# Allegro board meta_module_lay_rev1.brd (continued)
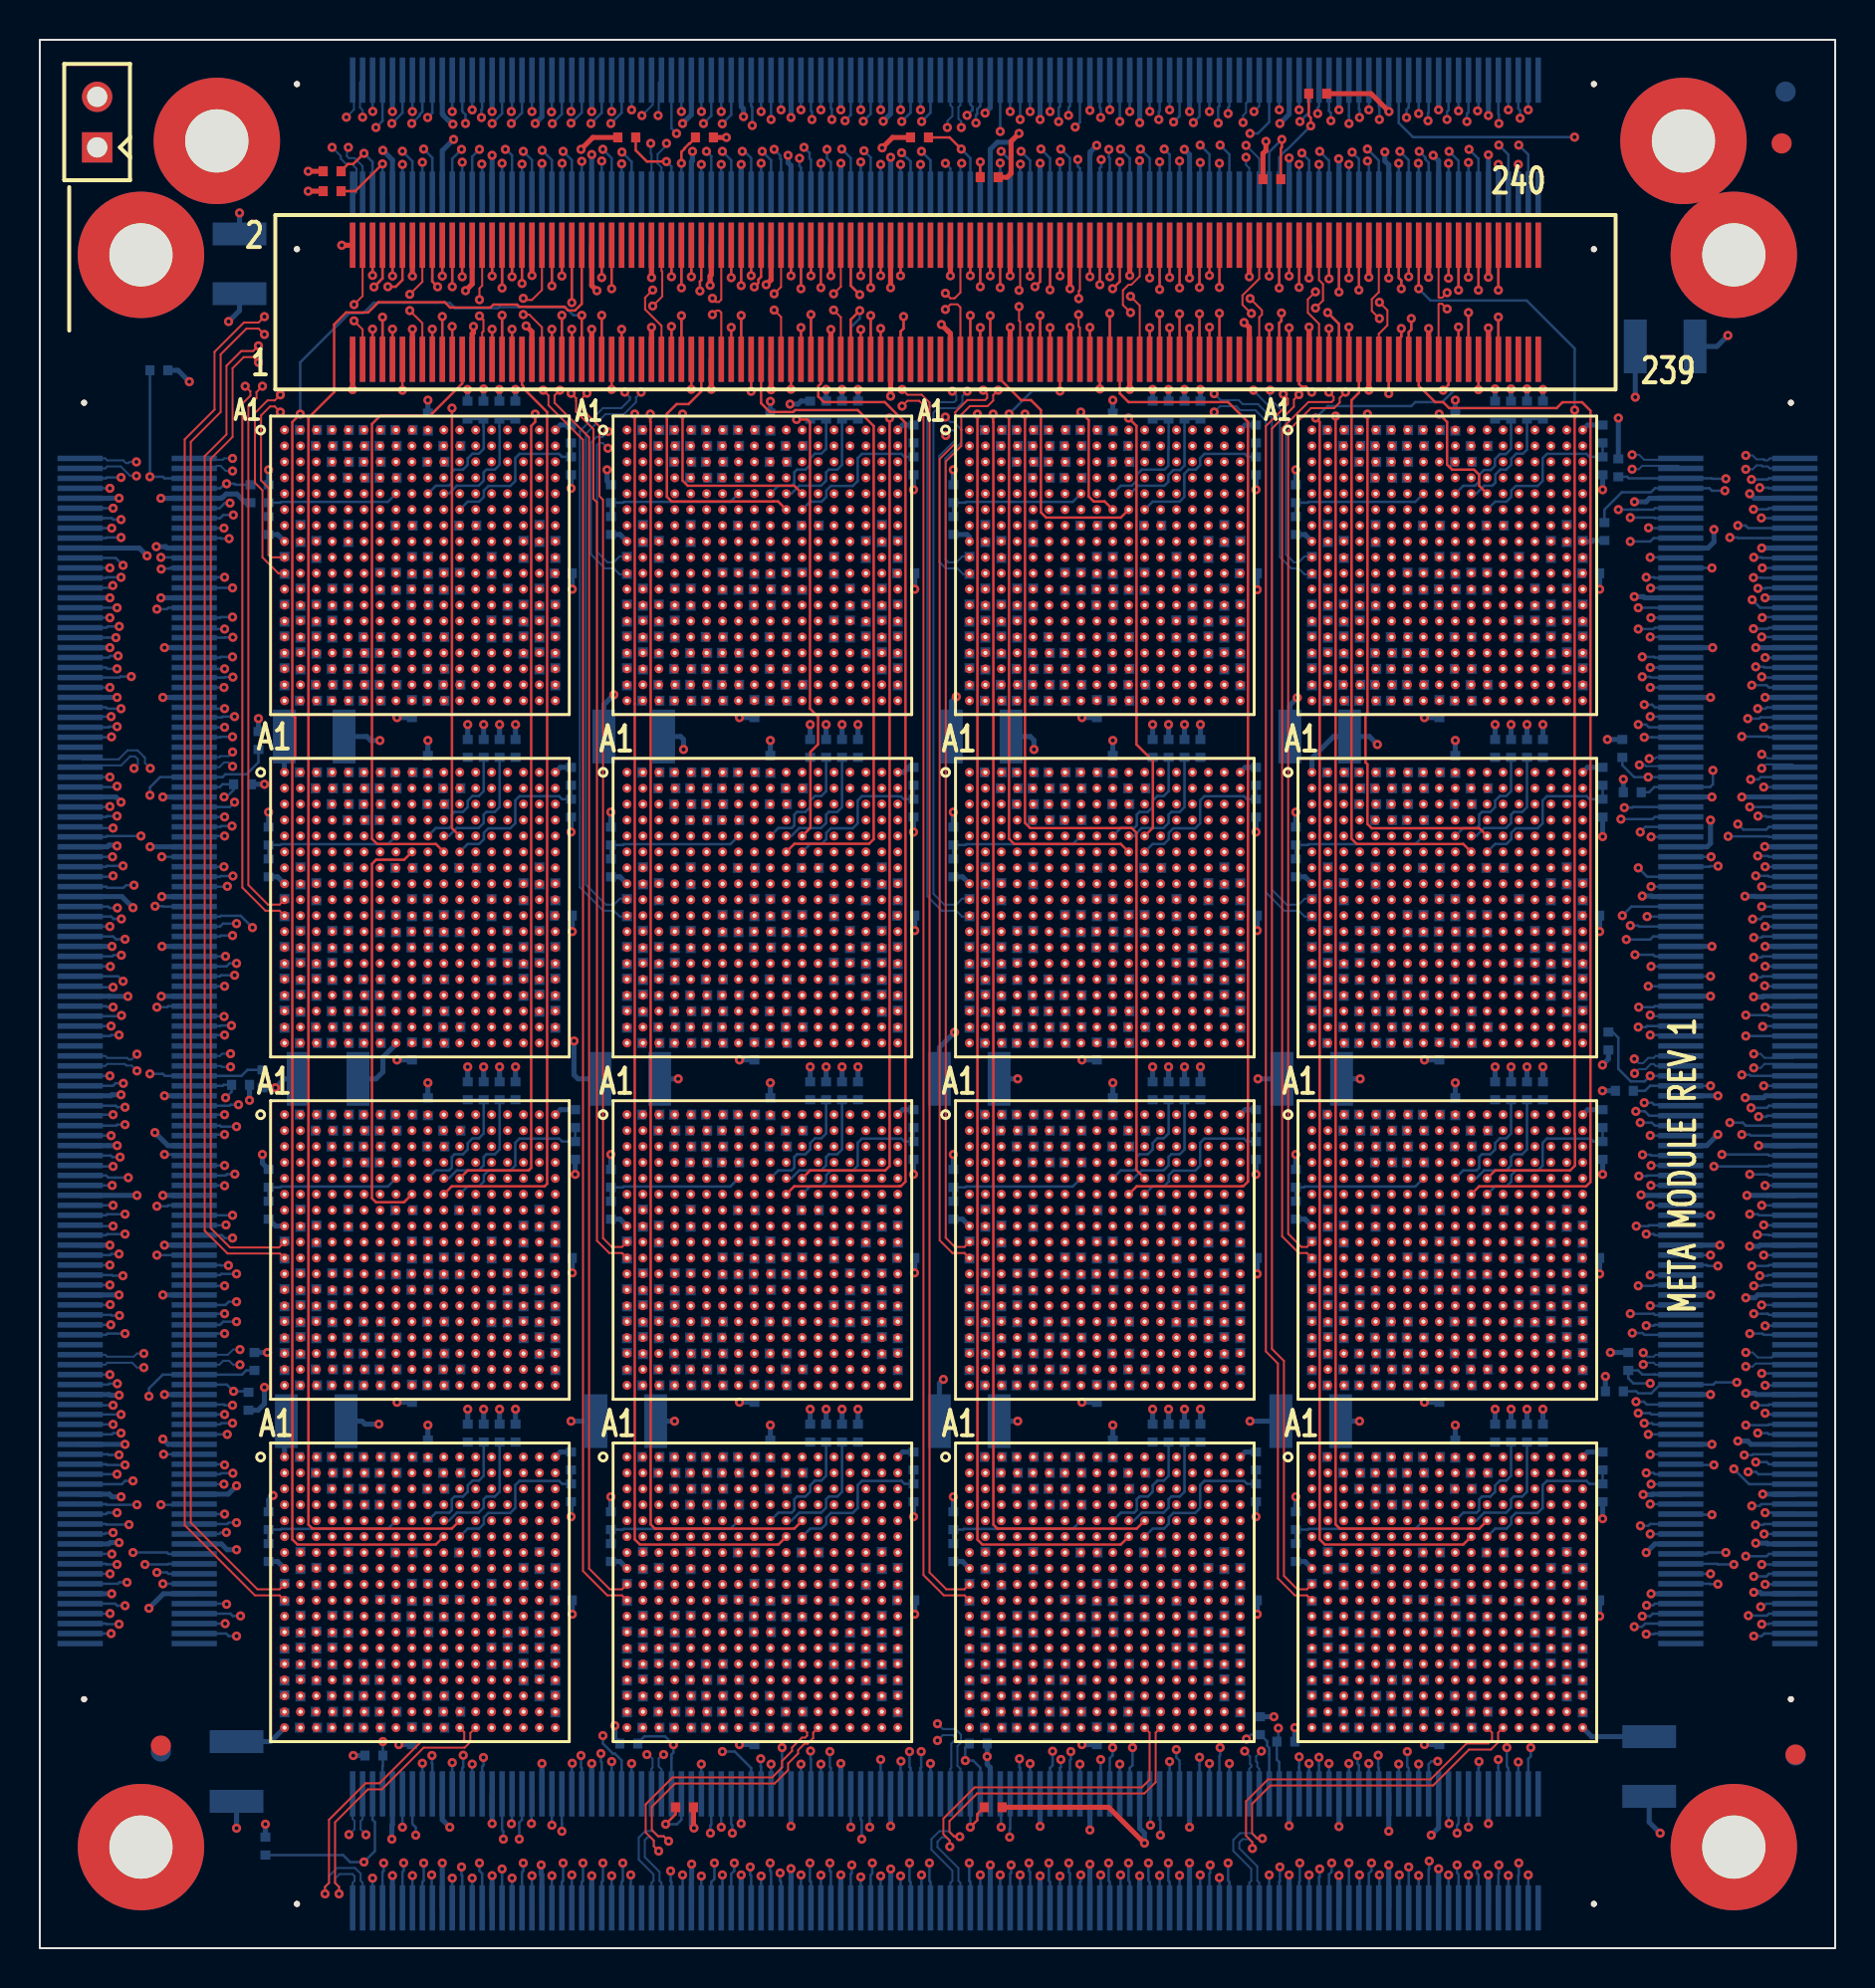
[diagram p0: board, top side]
## Routing (per net, layer and track width the routed paths; a pad name or vN(x,y) marks a point on that pad's centre or on a via; arc(x,y) is an arc through that point) (continued)
COLID1_SNOW4-3_TILE-1: length 6.9
  BOTTOM w0.127: R568.2 R564.1 40.29,22.93 40.05,22.69 39.63,22.69 39.49,22.55 39.49,22.13 39.24,21.88 38.14,21.88 37.74,21.48 U10.E11
COLID1_SNOW4-3_TILE-2: length 6.9
  BOTTOM w0.127: R511.2 R507.1 40.29,40.13 40.05,39.89 39.63,39.89 39.49,39.75 39.49,39.33 39.24,39.08 38.14,39.08 37.74,38.68 U9.E11
COLID1_SNOW4-3_TILE-3: length 6.9
  BOTTOM w0.127: R625.2 R621.1 23.09,40.13 22.85,39.89 22.43,39.89 22.29,39.75 22.29,39.33 22.04,39.08 20.94,39.08 20.54,38.68 U11.E11
COLID1_SNOW4-3_TILE-4: length 6.9
  BOTTOM w0.127: U12.E11 20.54,21.48 20.94,21.88 22.04,21.88 22.29,22.13 22.29,22.55 22.43,22.69 22.85,22.69 23.09,22.93 R678.1 R682.2
COLID1_SNOW4-4_TILE-1: length 6.9
  BOTTOM w0.127: R796.2 R792.1 74.69,22.93 74.45,22.69 74.03,22.69 73.89,22.55 73.89,22.13 73.64,21.88 72.54,21.88 72.14,21.48 U14.E11
COLID1_SNOW4-4_TILE-2: length 6.9
  BOTTOM w0.127: R739.2 R735.1 74.69,40.13 74.45,39.89 74.03,39.89 73.89,39.75 73.89,39.33 73.64,39.08 72.54,39.08 72.14,38.68 U13.E11
COLID1_SNOW4-4_TILE-3: length 6.9
  BOTTOM w0.127: R853.2 R849.1 57.49,40.13 57.25,39.89 56.83,39.89 56.69,39.75 56.69,39.33 56.44,39.08 55.34,39.08 54.94,38.68 U15.E11
COLID1_SNOW4-4_TILE-4: length 6.9
  BOTTOM w0.127: U16.E11 54.94,21.48 55.34,21.88 56.44,21.88 56.69,22.13 56.69,22.55 56.83,22.69 57.25,22.69 57.49,22.93 R906.1 R910.2
COLID2: length 319.6
  TOP w0.127: v1(58.74,84.04) J16.174
  SIGNAL_L3 w0.083: U14.E9 69.89,21.08 62.44,21.08 60.84,22.68 58.55,22.68 58.31,22.44 58.31,22.16 58.05,21.9 53.51,21.9 U16.E9 52.69,21.08 45.24,21.08 43.64,22.68 41.35,22.68 41.11,22.44 41.11,22.16 40.85,21.9 36.31,21.9 U10.E9 35.49,21.08 28.04,21.08 26.44,22.68 24.15,22.68 23.91,22.44 23.91,22.16 23.65,21.9 19.11,21.9 U12.E9 ; U6.E9 69.89,55.48 62.44,55.48 60.84,57.08 58.55,57.08 58.31,56.84 58.31,56.56 58.05,56.3 53.51,56.3 U8.E9 52.69,55.48 45.24,55.48 43.64,57.08 41.35,57.08 41.11,56.84 41.11,56.56 40.85,56.3 36.31,56.3 U2.E9 35.49,55.48 28.04,55.48 26.44,57.08 24.15,57.08 23.91,56.84 23.91,56.56 23.65,56.3 19.11,56.3 U4.E9 ; U5.E9 69.89,72.68 62.44,72.68 60.84,74.28 58.48,74.28 58.31,74.11 58.31,73.71 58.1,73.5 53.51,73.5 U7.E9 52.69,72.68 45.24,72.68 43.64,74.28 41.35,74.28 41.11,74.04 41.11,73.76 40.85,73.5 36.31,73.5 U1.E9 35.49,72.68 28.04,72.68 26.44,74.28 24.15,74.28 23.91,74.04 23.91,73.76 23.65,73.5 19.11,73.5 U3.E9 ; U11.E9 19.11,39.1 23.65,39.1 23.91,39.36 23.91,39.64 24.15,39.88 26.44,39.88 28.04,38.28 35.49,38.28 U9.E9 36.31,39.1 40.85,39.1 41.11,39.36 41.11,39.64 41.35,39.88 43.64,39.88 45.24,38.28 52.69,38.28 U15.E9 53.51,39.1 58.05,39.1 58.31,39.36 58.31,39.64 58.55,39.88 60.84,39.88 62.44,38.28 69.89,38.28 U13.E9
  SIGNAL_L5 w0.083: U3.E9 18.28,72.67 18.28,72.15 18.01,71.88 16.88,71.88 16.68,71.68 16.68,71.28 16.45,71.05 16.14,71.05 15.88,70.79 15.88,66.55 15.64,66.31 15.4,66.31 15.08,65.99 15.08,65.57 14.99,65.48 14.57,65.48 14.32,65.23 14.32,64.92 14.11,64.71 13.8,64.71 13.52,64.43 13.52,64.12 13.31,63.91 13,63.91 12.72,63.63 12.72,63.32 12.48,63.08 12.08,63.08 11.92,62.92 11.92,62.44 12.88,61.48 13.08,61.48 15.08,59.48 15.08,57.28 15.28,57.08 17.28,57.08 17.48,56.88 17.48,56.57 17.77,56.28 18.29,56.28 U4.E9 18.28,55.47 18.28,54.95 18.01,54.68 16.88,54.68 16.68,54.48 16.68,54.08 16.45,53.85 16.14,53.85 15.88,53.59 15.88,49.35 15.64,49.11 15.4,49.11 15.08,48.79 15.08,48.37 14.99,48.28 14.57,48.28 14.32,48.03 14.32,47.72 14.11,47.51 13.8,47.51 13.52,47.23 13.52,46.92 13.31,46.71 13,46.71 12.72,46.43 12.72,46.12 12.48,45.88 12.08,45.88 11.92,45.72 11.92,45.24 15.08,42.08 15.08,40.08 15.28,39.88 17.28,39.88 17.48,39.68 17.48,39.37 17.77,39.08 18.29,39.08 U11.E9 18.28,38.27 18.28,37.75 18.01,37.48 16.88,37.48 16.68,37.28 16.68,36.88 16.45,36.65 16.14,36.65 15.88,36.39 15.88,32.15 15.64,31.91 15.4,31.91 15.08,31.59 15.08,31.17 14.99,31.08 14.57,31.08 14.32,30.83 14.32,30.52 14.11,30.31 13.8,30.31 13.52,30.03 13.52,29.72 13.31,29.51 13,29.51 12.72,29.23 12.72,28.92 12.48,28.68 12.08,28.68 11.92,28.52 11.92,28.04 12.88,27.08 13.28,27.08 15.08,25.28 15.08,22.88 15.28,22.68 17.28,22.68 17.48,22.48 17.48,22.17 17.77,21.88 18.29,21.88 U12.E9
  SIGNAL_L9 w0.083: U7.E9 53.46,73.45 53.46,73.96 53.77,74.28 56.41,74.28 56.66,74.53 56.66,74.77 56.94,75.05 57.17,75.05 57.48,75.35 57.48,76.39 57.92,76.83 57.92,78.82 58.28,79.18 58.28,81.58 58.74,82.04 v1(58.74,84.04)
COLID3: length 324.4
  TOP w0.127: U11.F9 18.29,37.48 16.88,37.48 16.68,37.68 16.68,54.48 16.89,54.69 18.3,54.69 U4.F9 ; J16.176 v1(59.24,83.44)
  SIGNAL_L9 w0.083: v1(59.24,83.44) 59.68,83.01 59.68,77.08 59.12,76.52 59.12,75.4 58.84,75.11 57.81,75.11 57.48,74.79 57.48,74.38 57.41,74.31 57.01,74.31 56.72,74.03 56.72,73.73 56.51,73.51 56.21,73.51 55.92,73.23 55.92,73 55.58,72.65 53.46,72.65 U7.F9
  SIGNAL_L10 w0.083: U5.F9 69.89,71.88 67.77,71.88 67.52,72.13 67.52,72.44 67.28,72.68 66.88,72.68 66.68,72.88 66.68,73.28 66.48,73.48 62.08,73.48 61.28,74.28 58.48,74.28 58.28,74.08 58.28,73.68 58.05,73.45 57.74,73.45 57.46,73.17 57.46,72.93 57.21,72.68 53.49,72.68 U7.F9 52.69,71.88 50.57,71.88 50.32,72.13 50.32,72.44 50.08,72.68 49.68,72.68 49.48,72.88 49.48,73.28 49.28,73.48 44.88,73.48 44.08,74.28 41.28,74.28 41.08,74.08 41.08,73.68 40.85,73.45 40.54,73.45 40.26,73.17 40.26,72.93 40.01,72.68 36.29,72.68 U1.F9 35.49,71.88 33.37,71.88 33.12,72.13 33.12,72.44 32.88,72.68 32.48,72.68 32.28,72.88 32.28,73.28 32.08,73.48 27.68,73.48 26.88,74.28 24.08,74.28 23.88,74.08 23.88,73.68 23.65,73.45 23.34,73.45 23.06,73.17 23.06,72.93 22.81,72.68 19.09,72.68 U3.F9 18.26,71.85 17.74,71.85 17.48,71.59 17.48,71.28 17.25,71.05 16.05,71.05 15.88,70.88 15.88,58.17 16.14,57.91 16.38,57.91 16.68,57.61 16.68,55.77 16.94,55.51 17.18,55.51 17.46,55.23 17.46,54.99 17.77,54.68 18.29,54.68 U4.F9 19.09,55.48 22.81,55.48 23.06,55.73 23.06,55.97 23.34,56.25 23.65,56.25 23.88,56.48 23.88,56.88 24.08,57.08 26.88,57.08 27.68,56.28 32.08,56.28 32.28,56.08 32.28,55.68 32.48,55.48 32.88,55.48 33.12,55.24 33.12,54.93 33.37,54.68 35.49,54.68 U2.F9 36.29,55.48 40.01,55.48 40.26,55.73 40.26,55.97 40.54,56.25 40.85,56.25 41.08,56.48 41.08,56.88 41.28,57.08 44.08,57.08 44.88,56.28 49.28,56.28 49.48,56.08 49.48,55.68 49.68,55.48 50.08,55.48 50.32,55.24 50.32,54.93 50.57,54.68 52.69,54.68 U8.F9 53.49,55.48 57.21,55.48 57.46,55.73 57.46,55.97 57.74,56.25 58.05,56.25 58.28,56.48 58.28,56.88 58.48,57.08 61.28,57.08 62.08,56.28 66.48,56.28 66.68,56.08 66.68,55.68 66.88,55.48 67.28,55.48 67.52,55.24 67.52,54.93 67.77,54.68 69.89,54.68 U6.F9 ; U14.F9 69.89,20.28 67.77,20.28 67.52,20.53 67.52,20.84 67.28,21.08 66.88,21.08 66.68,21.28 66.68,21.68 66.48,21.88 62.08,21.88 61.28,22.68 58.48,22.68 58.28,22.48 58.28,22.08 58.05,21.85 57.74,21.85 57.46,21.57 57.46,21.33 57.21,21.08 53.49,21.08 U16.F9 52.69,20.28 50.57,20.28 50.32,20.53 50.32,20.84 50.08,21.08 49.68,21.08 49.48,21.28 49.48,21.68 49.28,21.88 44.88,21.88 44.08,22.68 41.28,22.68 41.08,22.48 41.08,22.08 40.85,21.85 40.54,21.85 40.26,21.57 40.26,21.33 40.01,21.08 36.29,21.08 U10.F9 35.49,20.28 33.37,20.28 33.12,20.53 33.12,20.84 32.88,21.08 32.48,21.08 32.28,21.28 32.28,21.68 32.08,21.88 27.68,21.88 26.88,22.68 24.08,22.68 23.88,22.48 23.88,22.08 23.65,21.85 23.34,21.85 23.06,21.57 23.06,21.33 22.81,21.08 19.09,21.08 U12.F9 18.29,20.28 17.77,20.28 17.46,20.59 17.46,20.83 17.18,21.11 16.94,21.11 16.68,21.37 16.68,23.21 16.38,23.51 16.14,23.51 15.88,23.77 15.88,36.39 16.14,36.65 18.85,36.65 19.12,36.92 19.12,37.45 U11.F9 19.09,38.28 22.81,38.28 23.06,38.53 23.06,38.77 23.34,39.05 23.65,39.05 23.88,39.28 23.88,39.68 24.08,39.88 26.88,39.88 27.68,39.08 32.08,39.08 32.28,38.88 32.28,38.48 32.48,38.28 32.88,38.28 33.12,38.04 33.12,37.73 33.37,37.48 35.49,37.48 U9.F9 36.29,38.28 40.01,38.28 40.26,38.53 40.26,38.77 40.54,39.05 40.85,39.05 41.08,39.28 41.08,39.68 41.28,39.88 44.08,39.88 44.88,39.08 49.28,39.08 49.48,38.88 49.48,38.48 49.68,38.28 50.08,38.28 50.32,38.04 50.32,37.73 50.57,37.48 52.69,37.48 U15.F9 53.49,38.28 57.21,38.28 57.46,38.53 57.46,38.77 57.74,39.05 58.05,39.05 58.28,39.28 58.28,39.68 58.48,39.88 61.28,39.88 62.08,39.08 66.48,39.08 66.68,38.88 66.68,38.48 66.88,38.28 67.28,38.28 67.52,38.04 67.52,37.73 67.77,37.48 69.89,37.48 U13.F9
EA_DATA_IN_N0: length 9
  SIGNAL_L12 w0.083: U5.T18 80.19,66.98 80.43,66.98 81.28,67.82 81.28,69.48 v1(80.88,69.88)
  BOTTOM w0.127: J3.219 82.38,69.88 v1(80.88,69.88)
EA_DATA_IN_N1: length 7.9
  SIGNAL_L12 w0.083: U5.R17 77.09,65.48 77.68,65.48 79.53,67.33 79.53,68.31 80.1,68.88 v1(80.68,68.88)
  BOTTOM w0.127: v1(80.68,68.88) 81.08,68.88 81.12,68.85 J3.215
EA_DATA_IN_N2: length 7.1
  SIGNAL_L6 w0.083: v1(80.28,67.35) 79.21,66.28 76.29,66.28 U5.P16
  BOTTOM w0.127: v1(80.28,67.35) J3.209
EA_DATA_IN_N3: length 7.8
  SIGNAL_L9 w0.083: U5.N15 75.48,67.07 79.49,67.07 v1(80.28,66.28)
  BOTTOM w0.127: J3.205 81.12,66.35 81.05,66.28 v1(80.28,66.28)
EA_DATA_IN_N4: length 5.4
  SIGNAL_L10 w0.083: v1(80.48,64.88) 79.48,65.88 U5.P18
  BOTTOM w0.127: v1(80.48,64.88) 81.08,64.88 81.12,64.84 J3.199
EA_DATA_IN_N5: length 8.5
  SIGNAL_L10 w0.083: v1(80.48,63.88) 79.68,64.68 76.57,64.68 76.28,64.97 76.28,66.27 U5.N17
  BOTTOM w0.127: v1(80.48,63.88) 80.87,63.88 80.91,63.84 J3.195
EA_DATA_IN_N6: length 9.6
  SIGNAL_L5 w0.083: v1(80.58,62.48) 79.58,63.48 79.58,65.11 77.61,67.08 76.29,67.08 U5.M16
  BOTTOM w0.127: J3.189 81.12,62.34 80.98,62.48 v1(80.58,62.48)
EA_DATA_IN_N7: length 12.1
  SIGNAL_L3 w0.083: U5.L15 75.51,67.86 76.05,67.86 76.31,67.6 76.31,66.45 76.48,66.28 77.63,66.28 78.46,65.46 78.46,63.3 v1(80.28,61.48)
  BOTTOM w0.127: v1(80.28,61.48) 80.67,61.48 80.81,61.34 J3.185
EA_DATA_IN_N8: length 12.3
  SIGNAL_L12 w0.083: v1(83.94,54.84) 83.67,54.57 83.67,52.6 80.77,49.7 80.77,49.7 80.55,49.48 80.55,49.48 78.15,47.08 U6.T18
  BOTTOM w0.127: v1(83.94,54.84) J3.159
EA_DATA_IN_N9: length 11.2
  SIGNAL_L12 w0.083: v1(80.28,54.28) 80.28,53.91 79.68,53.31 79.68,52.28 80.28,51.68 80.28,50.68 77.88,48.28 77.09,48.28 U6.R17
  BOTTOM w0.127: v1(80.28,54.28) 80.72,53.84 J3.155
EA_DATA_IN_N10: length 8.6
  SIGNAL_L6 w0.083: U6.P16 76.29,49.08 77.68,49.08 78.88,50.28 78.88,51.28 v1(79.48,51.88)
  BOTTOM w0.127: v1(79.48,51.88) 79.94,52.34 J3.149
EA_DATA_IN_N11: length 8.1
  SIGNAL_L12 w0.083: v1(79.88,51.38) 79.51,51.38 78.01,49.88 75.49,49.88 U6.N15
  BOTTOM w0.127: v1(79.88,51.38) 80.27,51.38 80.32,51.34 J3.145
EA_DATA_IN_N12: length 5.5
  SIGNAL_L10 w0.083: v1(80.12,49.92) 78.88,48.68 U6.P18
  BOTTOM w0.127: v1(80.12,49.92) 81.03,49.92 81.12,49.83 J3.139
EA_DATA_IN_N13: length 9.7
  SIGNAL_L10 w0.083: U6.N17 77.09,49.88 78.88,49.88 79.29,50.29 82.45,50.29 v1(83.91,48.83)
  BOTTOM w0.127: v1(83.91,48.83) J3.135
EA_DATA_IN_N14: length 7.8
  SIGNAL_L5 w0.083: v1(80.3,47.28) 80.21,47.28 77.61,49.88 76.29,49.88 U6.M16
  BOTTOM w0.127: J3.129 81.12,47.33 81.06,47.28 v1(80.3,47.28)
EA_DATA_IN_N15: length 10.1
  SIGNAL_L3 w0.083: v1(80.28,46.28) 77.98,48.58 77.98,48.71 77.61,49.08 76.48,49.08 76.31,49.25 76.31,50.4 76.05,50.66 75.51,50.66 U6.L15
  BOTTOM w0.127: J3.125 80.72,46.33 80.67,46.28 v1(80.28,46.28)
EA_DATA_IN_N16: length 14.7
  SIGNAL_L12 w0.083: U13.T18 78.48,30.87 78.48,31.08 79.88,32.48 80.48,32.48 81.78,33.78 81.78,38.08 80.95,38.91 80.73,38.91 80.51,39.13 80.51,39.15 80.49,39.17 v1(80.49,39.87)
  BOTTOM w0.127: v1(80.49,39.87) 80.89,39.87 80.93,39.83 J3.99
EA_DATA_IN_N17: length 12.9
  SIGNAL_L12 w0.083: U13.R17 77.09,31.08 77.66,31.08 79.53,32.95 79.53,33.33 81.08,34.88 81.08,36.08 80.03,37.13 80.03,38.04 80.31,38.32 v1(80.31,38.79)
  BOTTOM w0.127: J3.95 80.74,38.82 80.7,38.79 v1(80.31,38.79)
EA_DATA_IN_N18: length 10.6
  SIGNAL_L6 w0.083: U13.P16 76.29,31.88 77.68,31.88 79.08,33.28 79.08,36.08 80.32,37.32 v1(80.88,37.32)
  BOTTOM w0.127: v1(80.88,37.32) J3.89
EA_DATA_IN_N19: length 9.9
  SIGNAL_L12 w0.083: U13.N15 75.49,32.68 78.17,32.68 80.18,34.69 v1(80.18,36.28)
  BOTTOM w0.127: v1(80.18,36.28) 80.78,36.28 80.82,36.32 J3.85
EA_DATA_IN_N20: length 9.5
  SIGNAL_L10 w0.083: v1(83.91,34.82) 83.91,34.45 81.34,31.88 80.68,31.88 80.28,31.48 U13.P18
  BOTTOM w0.127: v1(83.91,34.82) J3.79
EA_DATA_IN_N21: length 6.4
  SIGNAL_L10 w0.083: v1(80.88,33.82) 80.02,33.82 78.88,32.68 77.09,32.68 U13.N17
  BOTTOM w0.127: v1(80.88,33.82) J3.75
EA_DATA_IN_N22: length 6.9
  SIGNAL_L5 w0.083: v1(80.88,32.28) 78.28,32.28 77.88,32.68 76.29,32.68 U13.M16
  BOTTOM w0.127: v1(80.88,32.28) 82.38,32.28 J3.69
EA_DATA_IN_N23: length 9.1
  SIGNAL_L3 w0.083: U13.L15 75.51,33.46 76.05,33.46 76.31,33.2 76.31,32.05 76.48,31.88 77.88,31.88 78.48,31.28 79.73,31.28 v1(80.68,31.28)
  BOTTOM w0.127: v1(80.68,31.28) 81.08,31.28 81.12,31.32 J3.65
EA_DATA_IN_N24: length 17.3
  SIGNAL_L12 w0.083: U14.T18 78.61,12.68 82.78,16.85 82.78,22.91 v1(80.88,24.81)
  BOTTOM w0.127: v1(80.88,24.81) 80.91,24.81 80.92,24.82 J3.39
EA_DATA_IN_N25: length 15.2
  SIGNAL_L12 w0.083: v1(80.68,23.88) 80.42,23.62 80.42,23.32 80.15,23.05 80.15,22.64 80.37,22.42 80.37,21.99 81.28,21.08 81.28,18.68 80.8,18.2 80.52,18.2 80.3,17.98 80.3,17.04 78.28,15.02 78.28,14.5 77.66,13.88 77.09,13.88 U14.R17
  BOTTOM w0.127: J3.35 81.12,23.81 81.05,23.88 v1(80.68,23.88)
EA_DATA_IN_N26: length 14.6
  SIGNAL_L6 w0.083: v1(80.88,22.31) 81.48,21.71 81.48,15.68 80.48,14.68 76.29,14.68 U14.P16
  BOTTOM w0.127: v1(80.88,22.31) J3.29
EA_DATA_IN_N27: length 11.9
  SIGNAL_L12 w0.083: U14.N15 75.49,15.48 78.08,15.48 79.94,17.34 79.94,18.13 80.28,18.48 80.28,20.28 80.39,20.39 v1(80.39,21.22)
  BOTTOM w0.127: J3.25 80.87,21.31 80.78,21.22 v1(80.39,21.22)
EA_DATA_IN_N28: length 12.9
  SIGNAL_L10 w0.083: U14.P18 80.88,14.28 84.68,18.08 v1(84.68,19.88)
  BOTTOM w0.127: v1(84.68,19.88) 83.78,19.88 83.72,19.81 J3.19
EA_DATA_IN_N29: length 11
  SIGNAL_L10 w0.083: v1(83.91,18.81) 83.65,18.55 83.65,17.85 80.88,15.08 78.28,15.08 77.88,15.48 77.09,15.48 U14.N17
  BOTTOM w0.127: v1(83.91,18.81) J3.15
EA_DATA_IN_N30: length 7.5
  SIGNAL_L5 w0.083: v1(80.7,17.23) 79.83,17.23 79.65,17.05 76.45,17.05 76.26,16.86 76.26,16.25 U14.M16
  BOTTOM w0.127: J3.9 81.11,17.31 81.03,17.23 v1(80.7,17.23)
EA_DATA_IN_N31: length 7.6
  SIGNAL_L6 w0.083: v1(80.08,16.15) 77.76,16.15 77.65,16.26 75.51,16.26 U14.L15
  BOTTOM w0.127: J3.5 80.63,16.31 80.47,16.15 v1(80.08,16.15)
EA_DATA_IN_P0: length 11
  SIGNAL_L12 w0.083: v1(83.98,69.35) 83.98,68.45 80.81,65.28 79.29,65.28 U5.U18
  BOTTOM w0.127: v1(83.98,69.35) J3.217
EA_DATA_IN_P1: length 8.4
  SIGNAL_L12 w0.083: v1(80.9,68.33) 80.53,68.33 80.38,68.48 79.95,68.48 79.71,68.23 79.71,66.76 77.63,64.68 77.09,64.68 U5.T17
  BOTTOM w0.127: v1(80.9,68.33) 80.91,68.35 J3.213
EA_DATA_IN_P2: length 7.3
  SIGNAL_L6 w0.083: U5.R16 76.31,65.5 78.95,65.5 80.3,66.85 v1(80.91,66.85)
  BOTTOM w0.127: v1(80.91,66.85) J3.207
EA_DATA_IN_P3: length 7.7
  SIGNAL_L9 w0.083: v1(80.88,65.88) 78.48,65.88 78.09,66.27 75.48,66.27 U5.P15
  BOTTOM w0.127: v1(80.88,65.88) 82.38,65.88 J3.203
EA_DATA_IN_P4: length 5.2
  SIGNAL_L10 w0.083: v1(80.88,64.34) 80.42,64.34 79.68,65.08 U5.R18
  BOTTOM w0.127: v1(80.88,64.34) J3.197
EA_DATA_IN_P5: length 8.5
  SIGNAL_L10 w0.083: U5.P17 77.09,66.28 79.75,66.28 81.28,64.75 81.28,63.74 v1(80.88,63.34)
  BOTTOM w0.127: v1(80.88,63.34) J3.193
EA_DATA_IN_P6: length 9.4
  SIGNAL_L5 w0.083: v1(80.88,61.88) 80.51,61.88 79.08,63.31 79.08,64.88 77.68,66.28 76.29,66.28 U5.N16
  BOTTOM w0.127: v1(80.88,61.88) 82.38,61.88 J3.187
EA_DATA_IN_P7: length 12.2
  SIGNAL_L3 w0.083: v1(80.58,60.84) 80.21,60.84 80.21,60.84 80.11,60.84 78.18,62.77 78.18,64.98 77.68,65.48 75.68,65.48 75.49,65.67 75.49,67.08 U5.M15
  BOTTOM w0.127: v1(80.58,60.84) 80.98,60.84 80.98,60.84 J3.183
EA_DATA_IN_P8: length 13.4
  SIGNAL_L12 w0.083: v1(84.29,54.37) 84.29,54 84.28,53.99 84.28,52.08 81.08,48.88 80.48,48.88 77.88,46.28 U6.U18
  BOTTOM w0.127: v1(84.29,54.37) 83.9,54.37 83.87,54.34 J3.157
EA_DATA_IN_P9: length 10.4
  SIGNAL_L12 w0.083: v1(80.92,53.34) 80.92,52.54 81.19,52.27 81.19,50.46 78.21,47.48 77.09,47.48 U6.T17
  BOTTOM w0.127: v1(80.92,53.34) 81.12,53.34 81.12,53.34 J3.153
EA_DATA_IN_P10: length 8.6
  SIGNAL_L6 w0.083: U6.R16 76.31,48.3 77.9,48.3 80.72,51.12 v1(80.72,51.83)
  BOTTOM w0.127: v1(80.72,51.83) J3.147
EA_DATA_IN_P11: length 8.2
  SIGNAL_L12 w0.083: U6.P15 75.52,49.11 78.11,49.11 v1(79.68,50.68)
  BOTTOM w0.127: J3.143 81.03,50.83 80.88,50.68 v1(79.68,50.68)
EA_DATA_IN_P12: length 5.5
  SIGNAL_L10 w0.083: U6.R18 79.47,47.88 v1(80.92,49.33)
  BOTTOM w0.127: v1(80.92,49.33) 80.93,49.33 80.93,49.33 J3.137
EA_DATA_IN_P13: length 6.9
  SIGNAL_L10 w0.083: v1(80.78,48.33) 80.41,48.33 79.56,47.48 77.29,47.48 77.09,47.68 77.09,48.28 U6.P17
  BOTTOM w0.127: v1(80.78,48.33) J3.133
EA_DATA_IN_P14: length 7.6
  SIGNAL_L5 w0.083: U6.N16 76.29,49.08 77.88,49.08 80.08,46.88 v1(80.88,46.88)
  BOTTOM w0.127: J3.127 80.93,46.83 v1(80.88,46.88)
EA_DATA_IN_P15: length 10
  SIGNAL_L3 w0.083: U6.M15 75.49,49.88 75.49,48.47 75.68,48.28 77.68,48.28 80.08,45.88 v1(80.88,45.88)
  BOTTOM w0.127: v1(80.88,45.88) 82.37,45.88 J3.123
EA_DATA_IN_P16: length 14.9
  SIGNAL_L12 w0.083: U13.U18 78.18,29.77 78.18,30.18 79.48,31.48 80.08,31.48 80.28,31.68 81.06,31.68 82.08,32.7 82.08,38.17 v1(80.92,39.33)
  BOTTOM w0.127: v1(80.92,39.33) J3.97
EA_DATA_IN_P17: length 12.7
  SIGNAL_L12 w0.083: v1(80.91,38.33) 81.28,37.96 81.28,33.68 80.28,32.68 79.68,32.68 78.28,31.28 78.28,30.95 77.64,30.31 77.51,30.31 77.48,30.28 77.09,30.28 U13.T17
  BOTTOM w0.127: v1(80.91,38.33) 80.93,38.33 J3.93
EA_DATA_IN_P18: length 12.5
  SIGNAL_L6 w0.083: v1(83.91,36.82) 82.62,36.82 79.48,33.68 79.48,32.88 77.7,31.1 76.31,31.1 U13.R16
  BOTTOM w0.127: v1(83.91,36.82) J3.87
EA_DATA_IN_P19: length 9.8
  SIGNAL_L12 w0.083: v1(80.68,35.88) 80.68,34.88 77.71,31.91 75.52,31.91 U13.P15
  BOTTOM w0.127: J3.83 81.12,35.82 81.06,35.88 v1(80.68,35.88)
EA_DATA_IN_P20: length 10.3
  SIGNAL_L10 w0.083: v1(84.28,34.28) 80.54,30.54 79.22,30.54 79.08,30.68 U13.R18
  BOTTOM w0.127: v1(84.28,34.28) 83.76,34.28 83.72,34.32 J3.77
EA_DATA_IN_P21: length 6.5
  SIGNAL_L10 w0.083: U13.P17 77.09,31.88 78.88,31.88 v1(80.28,33.28)
  BOTTOM w0.127: J3.73 81.12,33.32 81.07,33.28 v1(80.28,33.28)
EA_DATA_IN_P22: length 6.7
  SIGNAL_L5 w0.083: v1(79.88,31.88) 76.29,31.88 U13.N16
  BOTTOM w0.127: v1(79.88,31.88) 81.06,31.88 81.12,31.82 J3.67
EA_DATA_IN_P23: length 9.1
  SIGNAL_L3 w0.083: U13.M15 75.49,32.68 75.49,31.27 75.68,31.08 78.28,31.08 78.45,30.91 v1(79.98,30.91)
  BOTTOM w0.127: J3.63 80.58,30.82 80.49,30.91 v1(79.98,30.91)
EA_DATA_IN_P24: length 17.2
  SIGNAL_L12 w0.083: U14.U18 78.08,11.88 82.88,16.68 82.88,16.69 82.96,16.77 82.96,23.16 v1(84.08,24.28)
  BOTTOM w0.127: v1(84.08,24.28) 82.45,24.28 J3.37
EA_DATA_IN_P25: length 15.3
  SIGNAL_L12 w0.083: U14.T17 77.09,13.08 78.75,13.08 81.48,15.81 81.48,22.76 v1(80.92,23.31)
  BOTTOM w0.127: v1(80.92,23.31) J3.33
EA_DATA_IN_P26: length 15.4
  SIGNAL_L6 w0.083: U14.R16 76.31,13.9 80.1,13.9 81.88,15.68 81.88,19.68 v1(83.98,21.78)
  BOTTOM w0.127: v1(83.98,21.78) 82.45,21.78 J3.27
EA_DATA_IN_P27: length 11.9
  SIGNAL_L12 w0.083: U14.P15 75.52,14.71 77.71,14.71 80.12,17.12 80.12,18.06 81.05,18.99 81.05,20.27 80.88,20.44 v1(80.88,20.81)
  BOTTOM w0.127: v1(80.88,20.81) J3.23
EA_DATA_IN_P28: length 13.4
  SIGNAL_L10 w0.083: U14.R18 80.48,13.48 85.08,18.08 v1(85.08,19.28)
  BOTTOM w0.127: v1(85.08,19.28) 84.28,19.28 84.25,19.31 J3.17
EA_DATA_IN_P29: length 11.2
  SIGNAL_L10 w0.083: U14.P17 77.09,14.68 80.88,14.68 84.02,17.82 84.02,18.03 v1(84.28,18.29)
  BOTTOM w0.127: J3.13 83.87,18.31 83.89,18.29 v1(84.28,18.29)
EA_DATA_IN_P30: length 7.6
  SIGNAL_L5 w0.083: U14.N16 76.32,15.51 76.32,16.03 76.6,16.31 78.13,16.31 78.13,16.31 79.51,16.31 79.88,16.68 v1(80.48,16.68)
  BOTTOM w0.127: v1(80.48,16.68) 80.87,16.68 81,16.81 J3.7
EA_DATA_IN_P31: length 7.6
  SIGNAL_L6 w0.083: U14.M15 75.49,15.48 77.88,15.48 78.18,15.78 v1(80.68,15.78)
  BOTTOM w0.127: v1(80.68,15.78) 81.07,15.78 81.1,15.81 J3.3
EA_DATA_OUT_N0: length 16.1
  SIGNAL_L6 w0.083: U5.G15 75.48,71.87 75.48,72.48 75.68,72.68 76.08,72.68 76.31,72.91 76.31,73.31 76.48,73.48 77.68,73.48 78.28,72.88 78.68,72.88 78.84,73.04 81.79,73.04 84.95,69.88 v1(86.08,69.88)
  BOTTOM w0.127: J3.220 86.51,69.85 86.47,69.88 v1(86.08,69.88)
EA_DATA_OUT_N1: length 24.7
  SIGNAL_L9 w0.083: U5.F16 75.48,72.69 75.48,75.61 75.75,75.88 86.18,75.88 87.28,74.78 87.28,69.59 86.55,68.86 v1(86.06,68.86)
  BOTTOM w0.127: J3.216 86.48,68.85 86.46,68.86 v1(86.06,68.86)
EA_DATA_OUT_N2: length 13.8
  SIGNAL_L5 w0.083: U5.E17 77.09,72.68 77.68,72.68 79.08,71.28 80.28,71.28 83.81,67.75 v1(86,67.75)
  BOTTOM w0.127: J3.210 86.41,67.35 86.37,67.38 v1(86,67.75)
EA_DATA_OUT_N3: length 14.2
  SIGNAL_L9 w0.083: v1(86.06,66.3) 81.68,70.68 81.68,71.08 80.51,72.25 79.98,72.25 79.08,73.15 79.08,73.38 78.58,73.88 U5.D18
  BOTTOM w0.127: J3.206 86.84,66.35 86.79,66.3 v1(86.06,66.3)
EA_DATA_OUT_N4: length 17
  SIGNAL_L5 w0.083: v1(86.65,64.84) 83.84,64.84 77.61,71.08 76.48,71.08 76.28,71.28 76.28,71.65 76.08,71.85 75.79,71.85 75.48,72.17 75.48,72.69 U5.E15
  BOTTOM w0.127: v1(86.65,64.84) J3.200
EA_DATA_OUT_N5: length 17.3
  SIGNAL_L9 w0.083: U5.D16 76.32,73.45 76.52,73.45 76.53,73.46 76.85,73.46 77.07,73.24 77.07,72.09 77.28,71.88 77.68,71.88 80.13,69.43 80.91,69.43 85.48,64.86 85.48,64.48 86.08,63.88 v1(86.48,63.88)
  BOTTOM w0.127: v1(86.48,63.88) 86.52,63.84 J3.196
EA_DATA_OUT_N6: length 23.1
  SIGNAL_L9 w0.083: v1(86.28,62.28) 86.78,62.28 87.28,62.78 87.28,66.95 86.77,67.45 86.23,67.45 86.16,67.38 85.78,67.38 85.08,68.08 85.08,69.28 84.51,69.85 84.51,71.45 84.18,71.78 83.08,71.78 81.38,73.48 80.18,73.48 78.58,75.08 77.09,75.08 U5.C17
  BOTTOM w0.127: v1(86.28,62.28) 86.67,62.28 86.74,62.34 J3.190
EA_DATA_OUT_N7: length 25.4
  SIGNAL_L5 w0.083: U5.B18 77.89,75.88 85.74,75.88 87.26,74.36 87.26,74.1 87.28,74.08 87.28,62.04 v1(86.58,61.34)
  BOTTOM w0.127: v1(86.58,61.34) J3.186
EA_DATA_OUT_N8: length 16.3
  SIGNAL_L6 w0.083: U6.G15 75.48,54.67 75.48,55.28 75.68,55.48 76.08,55.48 76.31,55.71 76.31,56.04 76.53,56.26 76.55,56.26 76.57,56.28 77.68,56.28 79.25,57.85 80.21,57.85 80.38,57.68 82.28,57.68 85.08,54.88 v1(86.28,54.88)
  BOTTOM w0.127: J3.160 86.84,54.84 86.8,54.88 v1(86.28,54.88)
EA_DATA_OUT_N9: length 18
  SIGNAL_L9 w0.083: U6.F16 75.48,55.49 75.48,57.61 75.73,57.86 76.81,57.86 77.11,58.16 77.11,58.51 77.25,58.65 78.11,58.65 78.58,58.18 80.08,58.18 80.58,57.68 82.38,57.68 v1(86.18,53.88)
  BOTTOM w0.127: v1(86.18,53.88) 86.8,53.88 86.84,53.84 J3.156
EA_DATA_OUT_N10: length 12.9
  SIGNAL_L5 w0.083: v1(86.48,52.34) 82.82,52.34 79.68,55.48 77.09,55.48 U6.E17
  BOTTOM w0.127: v1(86.48,52.34) J3.150
EA_DATA_OUT_N11: length 12.9
  SIGNAL_L9 w0.083: U6.D18 78.61,56.68 83.95,51.34 v1(86.65,51.34)
  BOTTOM w0.127: v1(86.65,51.34) J3.146
EA_DATA_OUT_N12: length 16.2
  SIGNAL_L5 w0.083: v1(86.08,49.78) 83.38,49.78 80.91,52.25 80.11,52.25 78.48,53.88 76.37,53.88 76.28,53.97 76.28,54.45 76.08,54.65 75.79,54.65 75.48,54.97 75.48,55.49 U6.E15
  BOTTOM w0.127: v1(86.08,49.78) 86.47,49.78 86.53,49.83 J3.140
EA_DATA_OUT_N13: length 16.2
  SIGNAL_L9 w0.083: U6.D16 76.31,56.26 76.85,56.26 77.07,56.04 77.07,54.89 77.3,54.66 77.82,54.66 80.21,52.27 80.89,52.27 83.68,49.48 85.38,49.48 v1(86.08,48.78)
  BOTTOM w0.127: J3.136 86.53,48.83 86.47,48.78 v1(86.08,48.78)
EA_DATA_OUT_N14: length 19.7
  SIGNAL_L9 w0.083: v1(86.65,47.28) 87.28,47.91 87.28,52.08 86.41,52.95 86.21,52.95 85.48,53.68 83.9,53.68 80.05,57.52 80.05,57.53 79.83,57.75 79.82,57.75 79.7,57.88 77.13,57.88 76.73,57.48 U6.C17
  BOTTOM w0.127: J3.130 88.09,47.28 v1(86.65,47.28)
EA_DATA_OUT_N15: length 20.5
  SIGNAL_L5 w0.083: v1(86.53,46.31) 87.05,46.83 87.05,47.85 87.48,48.28 87.48,52.28 86.8,52.96 86.33,52.96 85.61,53.68 84.16,53.68 79.86,57.98 77.79,57.98 U6.B18
  BOTTOM w0.127: v1(86.53,46.31) 86.55,46.33 J3.126
EA_DATA_OUT_N16: length 15.1
  SIGNAL_L10 w0.083: U13.G15 75.09,37.29 75.48,37.68 75.48,38.08 75.68,38.28 76.01,38.28 76.32,38.59 76.32,38.83 76.57,39.08 77.88,39.08 79.08,40.28 84.08,40.28 v1(84.48,39.88)
  BOTTOM w0.127: J3.100 86.84,39.83 86.79,39.88 v1(84.48,39.88)
EA_DATA_OUT_N17: length 17.2
  SIGNAL_L9 w0.083: U13.F16 75.51,38.26 75.51,40.51 75.68,40.68 76.83,40.68 77.07,40.92 77.07,41.24 77.07,41.24 77.07,41.25 77.28,41.46 79.2,41.46 80.2,40.46 84.5,40.46 85.08,39.88 85.08,39.68 v1(85.88,38.88)
  BOTTOM w0.127: J3.96 86.84,38.82 86.79,38.88 v1(85.88,38.88)
EA_DATA_OUT_N18: length 12.5
  SIGNAL_L5 w0.083: U13.E17 77.09,38.28 80.32,38.28 80.92,38.88 83.88,38.88 85.44,37.32 v1(86.48,37.32)
  BOTTOM w0.127: v1(86.48,37.32) J3.90
EA_DATA_OUT_N19: length 12.4
  SIGNAL_L9 w0.083: U13.D18 78.63,39.48 79.48,38.63 79.48,38.13 81.39,36.22 86.07,36.22 86.17,36.32 86.19,36.32 86.21,36.34 v1(86.58,36.34)
  BOTTOM w0.127: J3.86 86.64,36.32 86.62,36.34 v1(86.58,36.34)
EA_DATA_OUT_N20: length 15.2
  SIGNAL_L5 w0.083: v1(86.58,34.82) 85.74,34.82 84.48,36.08 81.38,36.08 80.81,36.65 76.4,36.65 76.28,36.77 76.28,37.25 76.08,37.45 75.79,37.45 75.48,37.77 75.48,38.29 U13.E15
  BOTTOM w0.127: v1(86.58,34.82) J3.80
EA_DATA_OUT_N21: length 15.3
  SIGNAL_L9 w0.083: U13.D16 76.31,39.06 76.85,39.06 77.07,38.84 77.07,37.69 77.3,37.46 77.9,37.46 80.08,35.28 82.48,35.28 83.98,33.78 v1(86.38,33.78)